# Altium PCB MB1419.PcbDoc (part 1 of 5) (continued)
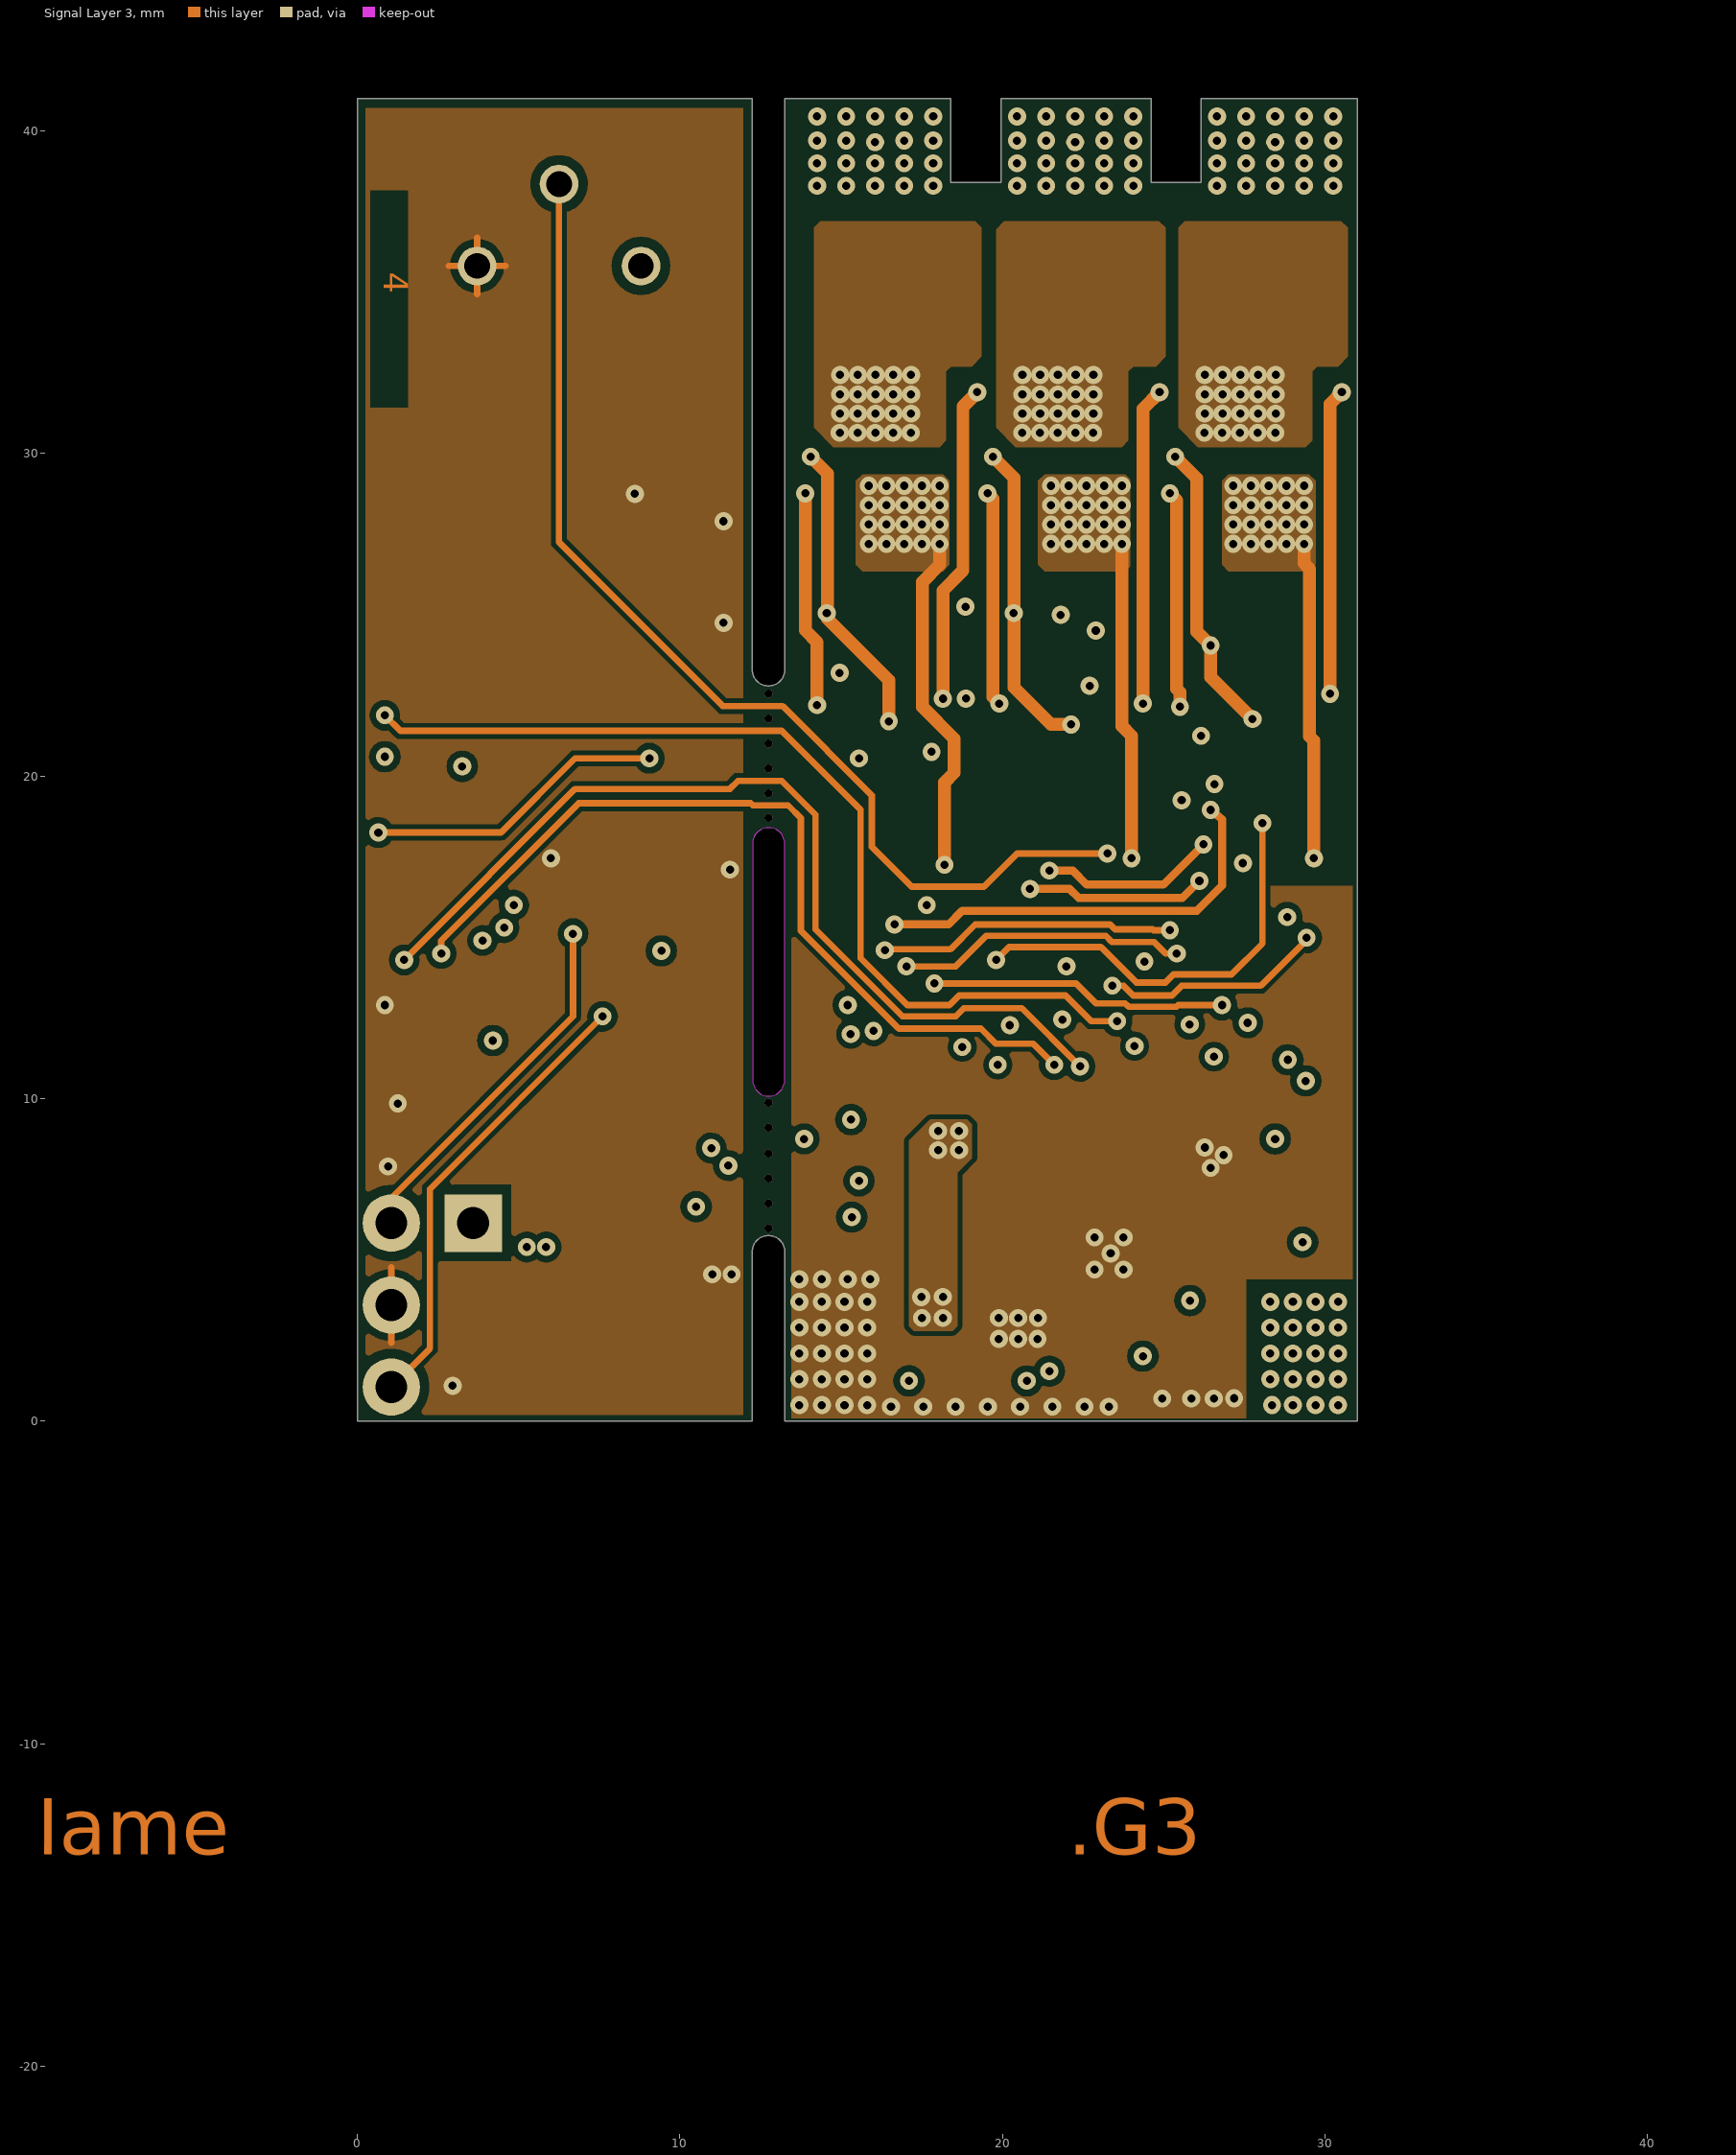
[diagram p4: Signal Layer 3]
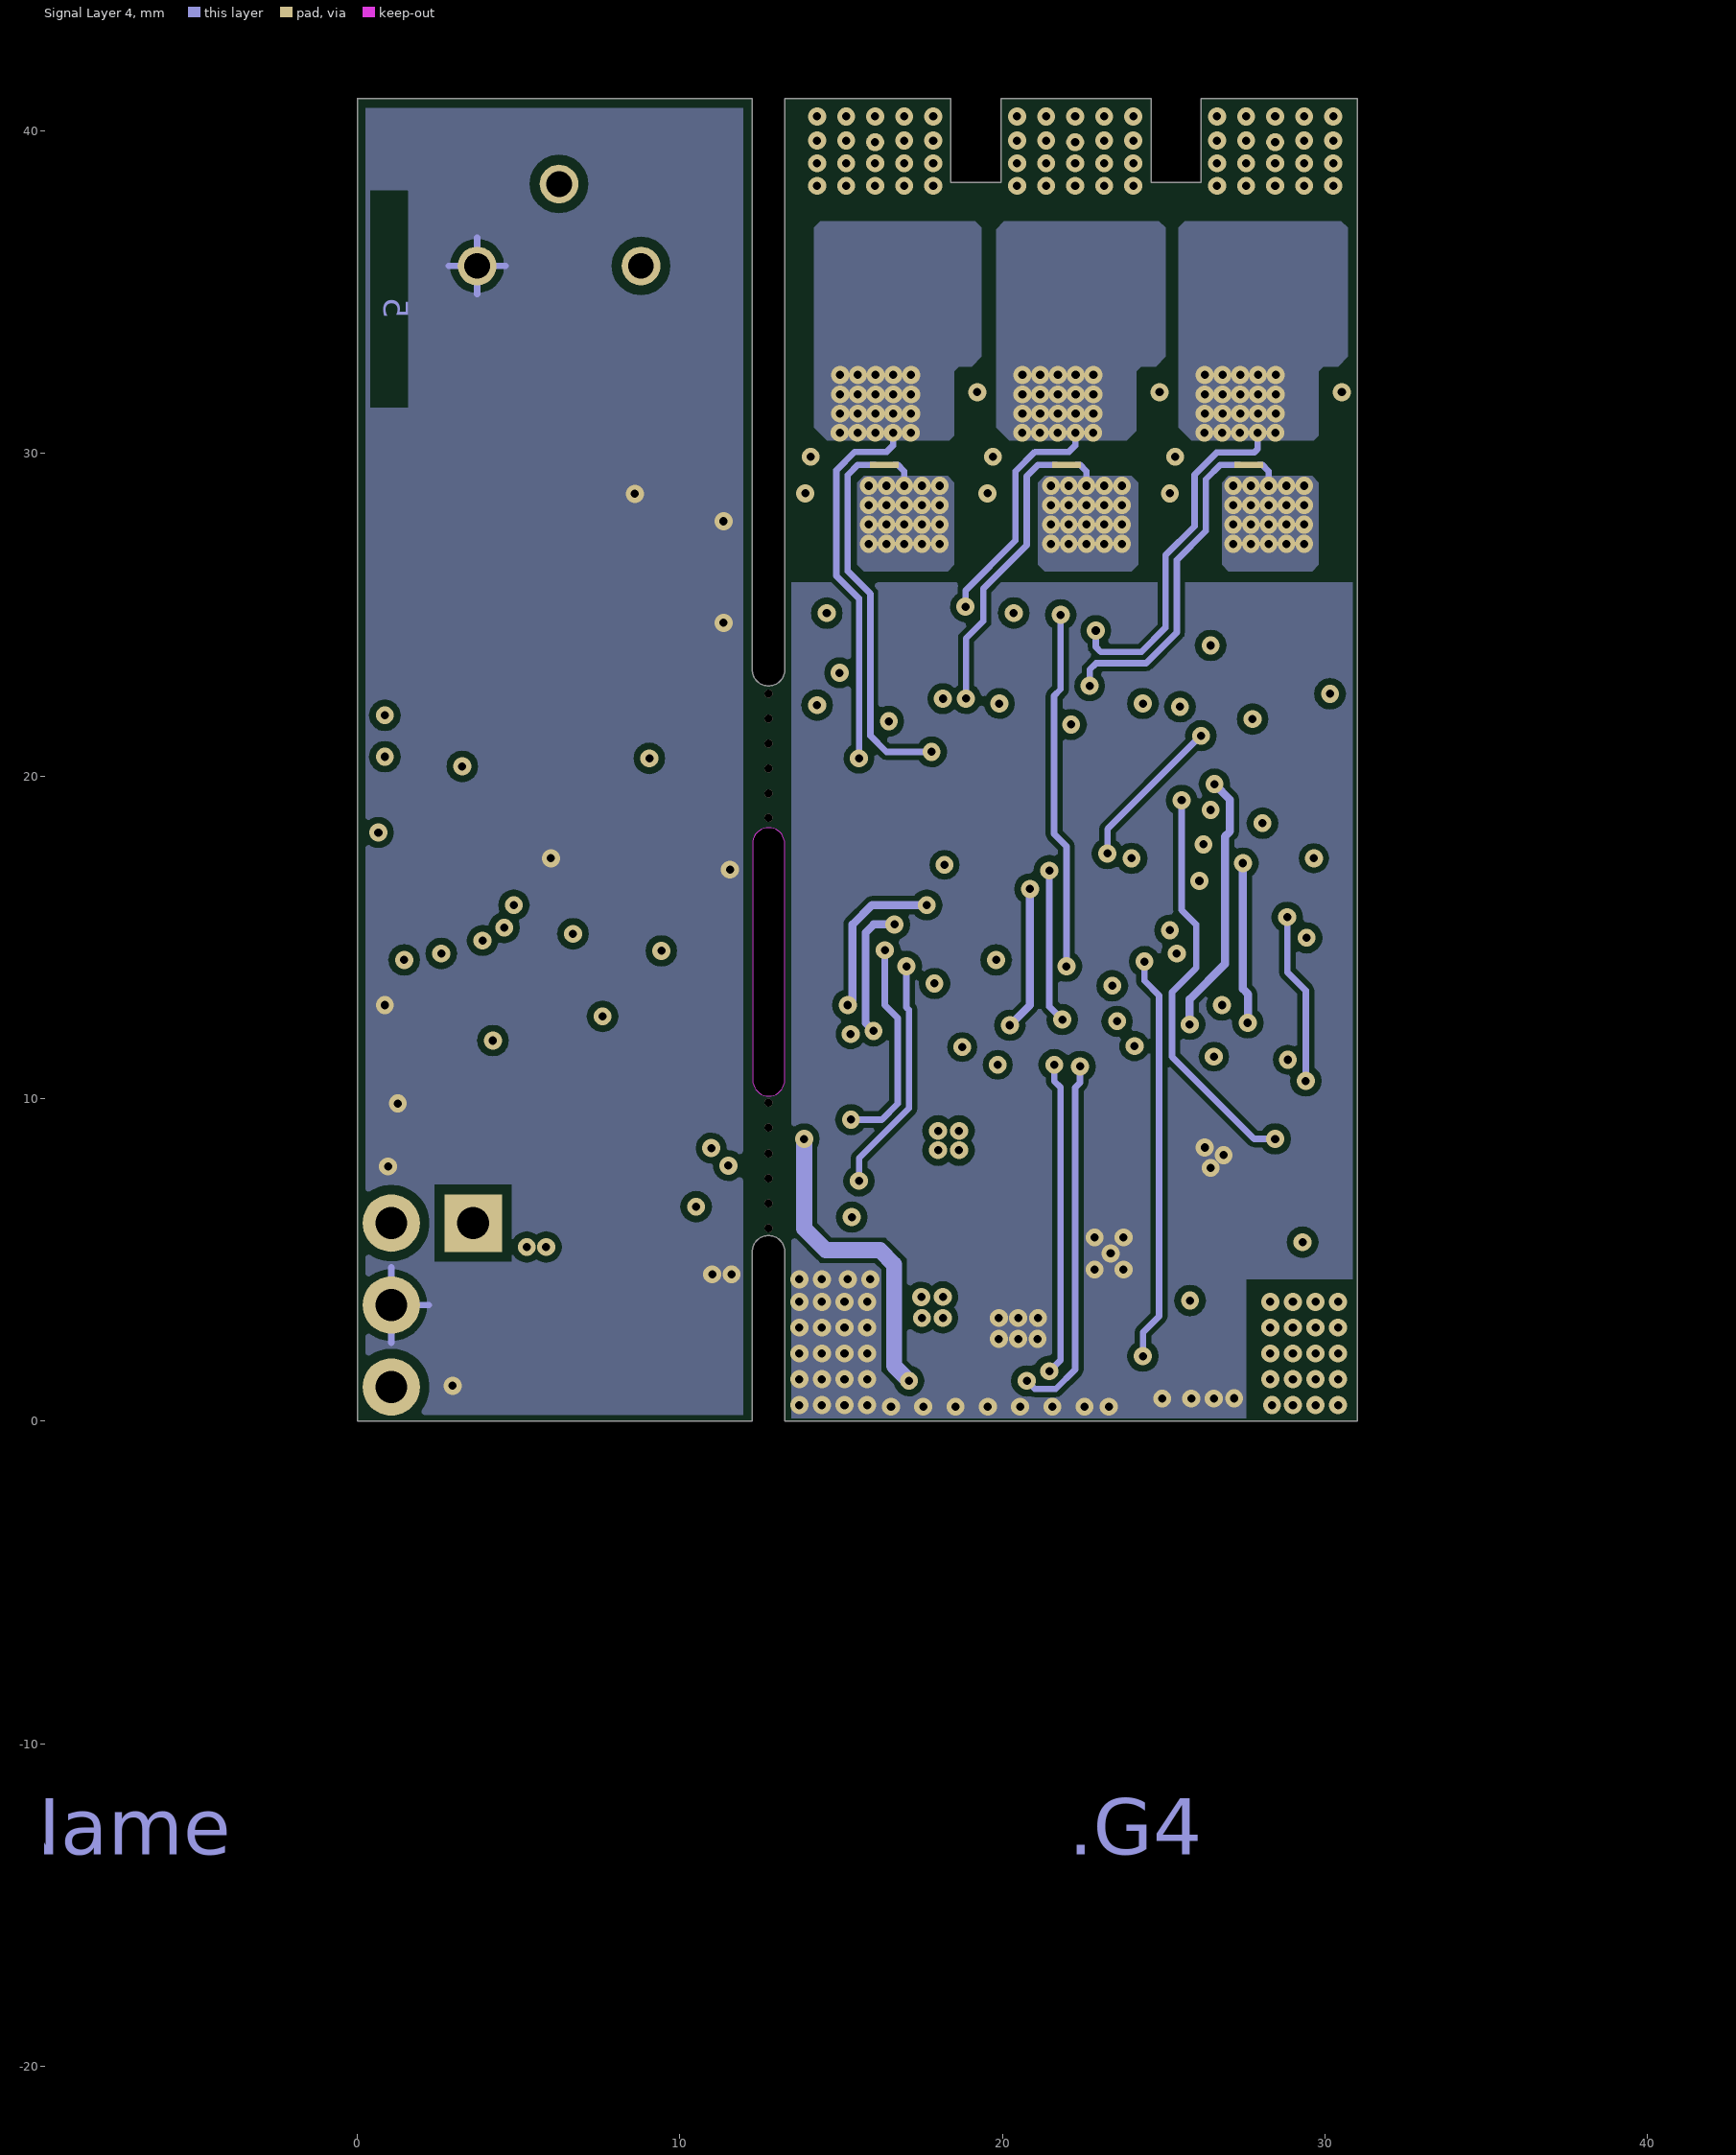
[diagram p5: Signal Layer 4]
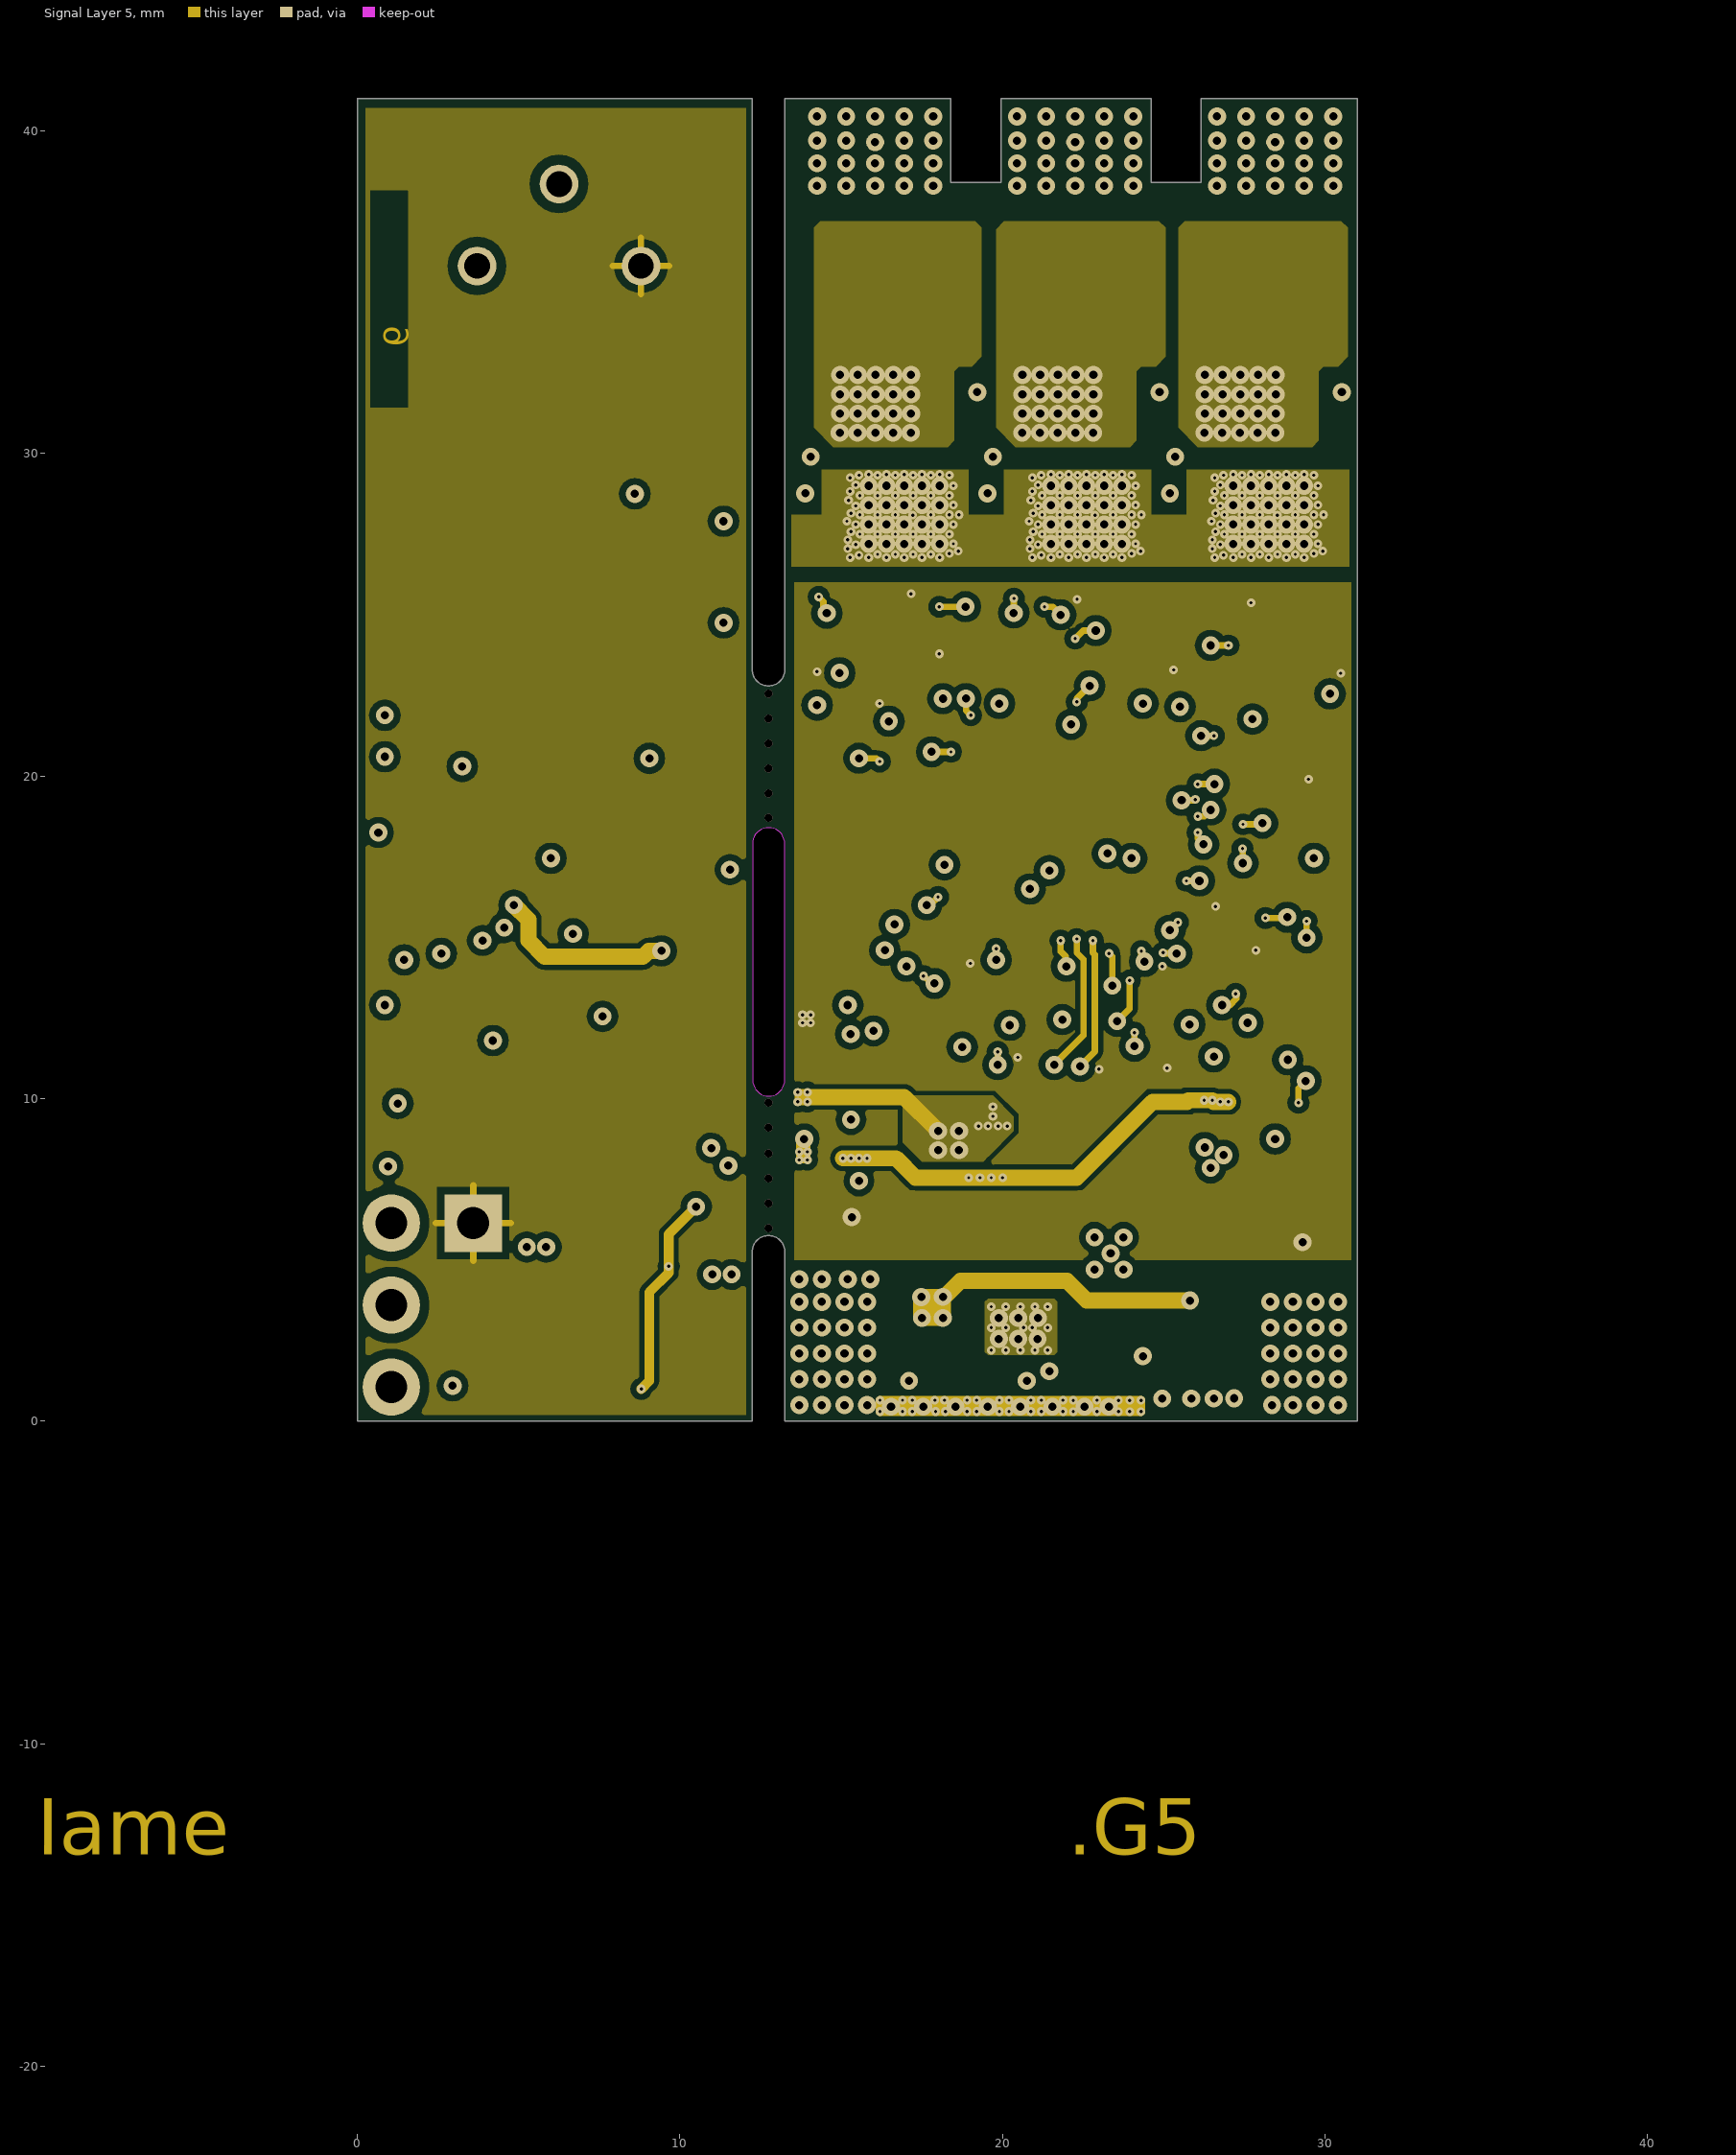
[diagram p6: Signal Layer 5]